# Altium PCB NxtPX4.PcbDoc (part 3 of 6)
Units mm, origin at the board's own origin, x right, y up, seen from the top; angles counter-clockwise.
Board outline 33 x 27 mm, 4 copper layers (F.Cu, In1.Cu, In2.Cu, B.Cu); 137 components, 132 nets, 629 pads, 296 vias.
Unrouted connection lines stored in the file: 3.
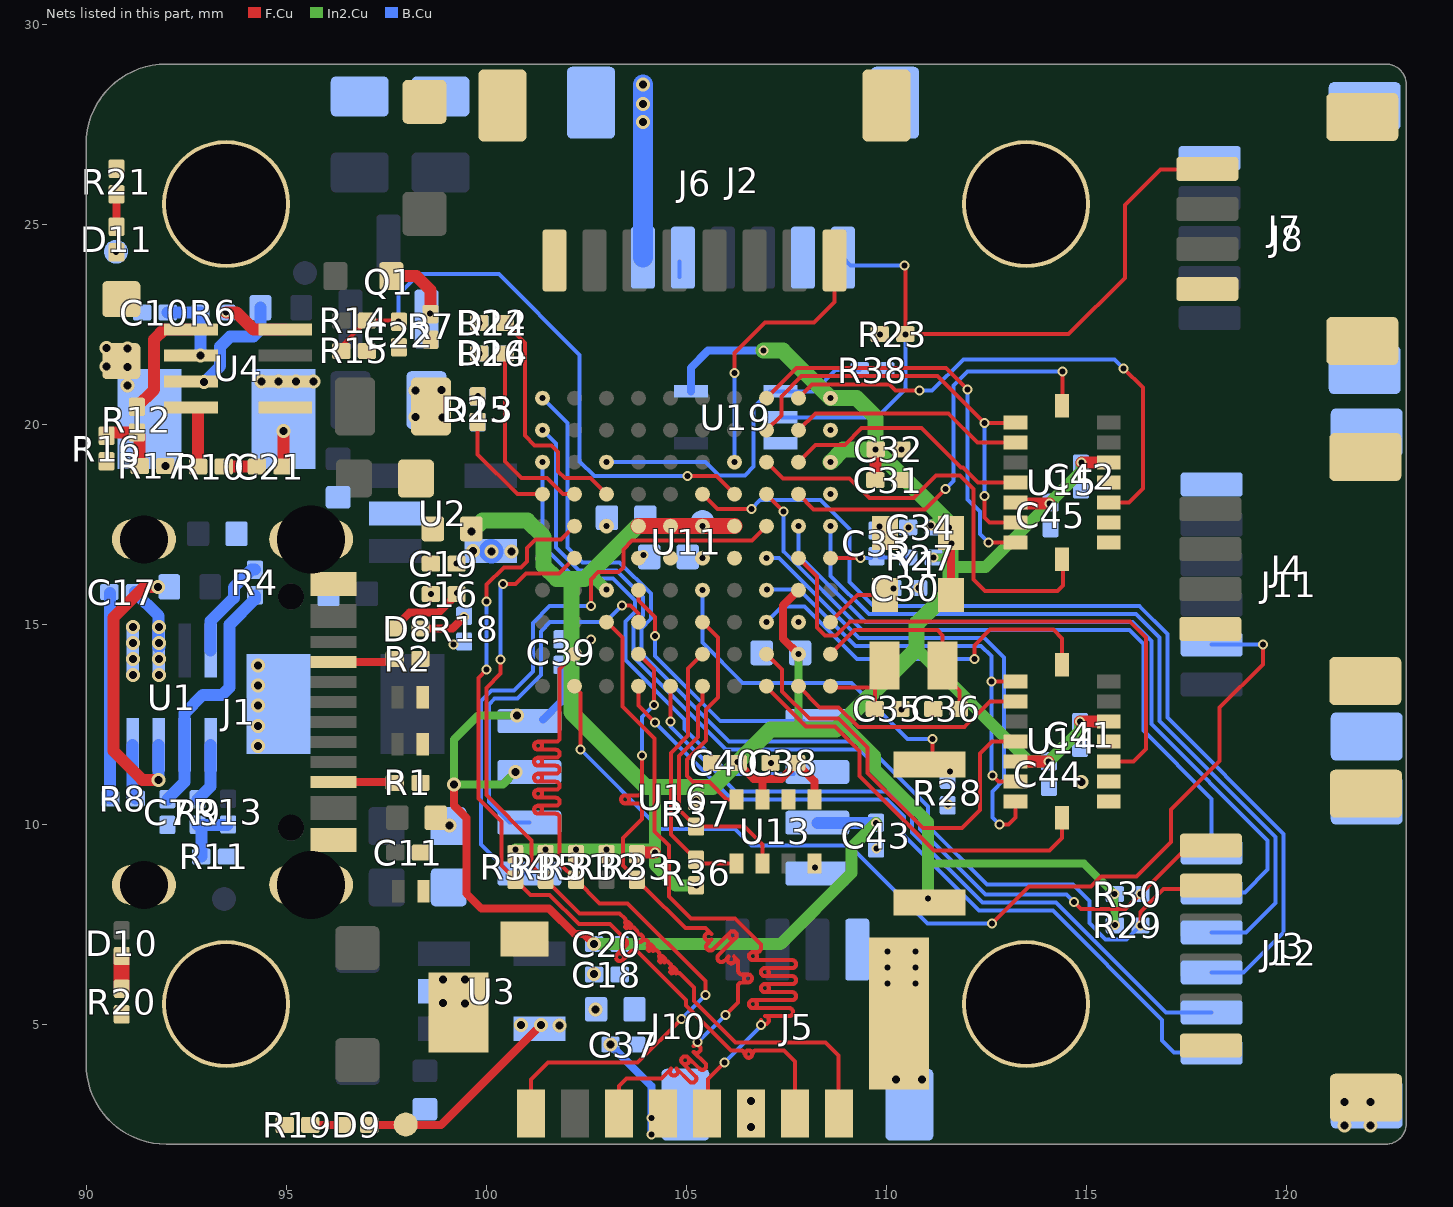
[diagram p5: the nets of this part, all layers, seen from the top]

## Components (designator, comment, footprint, x,y, rotation, side; value= is the part's Value field where it differs from the comment)
BOOT1 "TD-1183SN-1.5H(3x2.5)" 3x2.5PushButton 111.08,9.77 r90 top
C1 "22uF(0805 35V 20%)" C_0805_2012Metric#1 97.67,20.45 r0 top
C2 "10uF(0603 35V 20%)" C_0603_1608Metric#1 97.47,18.65 r0 top
C3 "22uF(0805 35V 20%)" C_0805_2012Metric#2 97.56,20.61 r180 bottom
C4 "1uF(0402 35V 10%)" C_0402_1005Metric#1 93.28,17.27 r180 bottom
C5 "1uF(0402 16V 10%)" C_0402_1005Metric#1 96.54,15.77 r0 bottom
C6 "1uF(0402 16V 10%)" C_0402_1005Metric#1 98.47,3.36 r90 bottom
C7 "100nF(0201 10V 10%)" C_0201_0603Metric#1 92.03,10.312 r90 bottom
C8 "1uF(0402 35V 10%)" C_0402_1005Metric#1 96.3,18.66 r90 bottom
C9 "1uF(0402 16V 10%)" C_0402_1005Metric#2 98.26,10.17 r0 top
C10 "100nF(0201 10V 10%)" C_0201_0603Metric#1 91.72,22.8 r0 bottom
C11 "100nF(0201 16V 10%)" C_0201_0603Metric#2 98.05,9.3 r0 top
C12 "22uF(0805 35V 20%)" C_0805_2012Metric#2 98.86,27.25 r270 bottom
C13 "22uF(0805 35V 20%)" C_0805_2012Metric#2 96.84,27.25 r270 bottom
C14 "1uF(0402 10V 10%)" C_0402_1005Metric#2 99.15,17.39 r180 top
C15 "1uF(0402 10V 10%)" C_0402_1005Metric#1 103.23,5.38 r180 bottom
C16 "100nF(0201 10V 10%)" C_0201_0603Metric#2 98.94,15.76 r180 top
C17 "100nF(0201 25V 10%)" C_0201_0603Metric#1 90.9,15.81 r180 bottom
C18 "100nF(0201 10V 10%)" C_0201_0603Metric#1 103.02,6.25 r180 bottom
C19 "100nF(0201 10V 10%)" C_0201_0603Metric#2 98.94,16.52 r180 top
C20 "100nF(0201 10V 10%)" C_0201_0603Metric#1 103.02,7.01 r180 bottom
C21 "100nF(0201 25V 10%)" C_0201_0603Metric#2 94.59,18.95 r0 top
C22 "100nF(0201 10.0V 10%)" C_0201_0603Metric#2 97.82,22.25 r270 top
C23 "22uF(0603 16V)" C_0603_1608Metric#2 98.29,8.43 r180 bottom
C24 "22uF(0603 16V)" C_0603_1608Metric#2 98.28,9.96 r180 bottom
C26 "22uF(0603 16V)" C_0603_1608Metric#1 90.88,22.36 r90 top
C27 "2.2uF(0402 6.3V 10%)" C_0402_1005Metric#1 104.56,16.69 r0 bottom
C28 "2.2uF(0402 6.3V 10%)" C_0402_1005Metric#1 103.5,17.67 r0 bottom
C29 "4.7uF(0402 10V)" C_0402_1005Metric#1 107.37,14.29 r180 bottom
C30 "15pF(0201 10V)" C_0201_0603Metric#1 110.48,15.91 r180 bottom
C31 "100nF(0201 6.3V)" C_0201_0603Metric#2 110.05,18.61 r0 top
C32 "1uF(0201 6.3V)" C_0201_0603Metric#2 110.06,19.38 r0 top
C33 "100nF(0201 10V 10%)" C_0201_0603Metric#1 109.76,17.03 r270 bottom
C34 "100nF(0201 10V 10%)" C_0201_0603Metric#1 110.87,17.43 r0 bottom
C35 "12.0pF(0201 10V)" C_0201_0603Metric#2 110.04,12.89 r0 top
C36 "12.0pF(0201 10V)" C_0201_0603Metric#2 111.5,12.89 r180 top
C37 "100nF(0201 10V 10%)" C_0201_0603Metric#1 103.43,4.5 r180 bottom
C38 "100nF(0201 10V 10%)" C_0201_0603Metric#2 107.43,11.54 r180 top
C39 "100nF(0201 10V 10%)" C_0201_0603Metric#1 101.88,14.31 r270 bottom
C40 "100nF(0201 10V 10%)" C_0201_0603Metric#2 105.97,11.54 r180 top
C41 "100.0nF(0201 10V)" C_0201_0603Metric#1 114.85,12.24 r90 bottom
C42 "100.0nF(0201 10V)" C_0201_0603Metric#1 114.87,18.7 r90 bottom
C43 "100nF(0201 10V 10%)" C_0201_0603Metric#1 109.75,9.72 r270 bottom
C44 "100.0nF(0201 10V)" C_0201_0603Metric#1 114.07,11.26 r90 bottom
C45 "100.0nF(0201 10V)" C_0201_0603Metric#1 114.11,17.73 r90 bottom
D1 "PESD12VV1BL" PESD12VV1BL_315 98.12,8.33 r180 top
D2 "PESD5V0F1BL" PESD5V0F1BL 98.1,13.18 r180 top
D3 "SMF30CA(30V)" D_SOD-123F#1 98.46,26.668 r270 top
D4 "PESD5V0F1BL" PESD5V0F1BL 98.1,12.01 r180 top
D5 "DSS34(3A 500mV)" D_SOD-123F#1 96.78,5.51 r90 top
D6 "BZX584C9V1" D_SOD-523 96.93,23.71 r0 top
D7 "DSS34(3A 500mV)" D_SOD-123F#2 96.79,5.44 r270 bottom
D8 "LED_Blue(0201)" LED_0201_0603Metric 98.04,14.9 r180 top
D9 "LED_Blue(0201)" LED_0201_0603Metric 96.76,2.49 r0 top
D10 "LED_Blue(0201)" LED_0201_0603Metric 90.89,7.033 r90 top
D11 "LED_Blue(0201)" LED_0201_0603Metric 90.76,24.625 r270 top
D12 "LED_RED(0201)" LED_0201_0603Metric 100.15,22.54 r0 top
D13 "LED_BLUE(0201)" LED_0201_0603Metric 99.79,20.382 r270 top
D14 "LED_Green(0201)" LED_0201_0603Metric 100.15,21.78 r0 top
H1 "MountingHole_Pad" M2MountingHole 113.5,25.51 r0 top
H2 "MountingHole_Pad" M2MountingHole 113.5,5.51 r0 top
H3 "MountingHole_Pad" M2MountingHole 93.5,5.51 r0 top
H4 "MountingHole_Pad" M2MountingHole 93.5,25.51 r0 top
J1 "USB_C_Receptacle_USB2.0" USB_C_Small 92.52,12.81 r270 top
J2 "DJIO3" 1x06-1MP_P1.00mm_Horizontal#1 106.42,26.17 r180 bottom
J3 "GPS" 1x06-1MP_P1.00mm_Horizontal#2 120.12,6.97 r90 top
J4 "UART2" 01x04_MP_sh1.0_Hori#1 120.105,16.39 r90 top
J5 "Upper computer connector" 01x04_MP_sh1.0_Hori#2 107.78,4.87 r0 bottom
J6 "ESC" 01x08_MP_sh1.0_Hori 105.21,26.1 r180 top
J7 "Upper computer connector" 01x04_MP_sh1.0_Hori#1 120.03,24.89 r90 top
J8 "PWM_AUX" 01x05_MP_sh1.0_Hori 120.09,24.66 r90 bottom
J10 "Micro_SD_Card" TF-SMD_TF-021B-H265 105.2,5.7 r0 top
J11 "Debug" 1x06-1MP_P1.00mm_Horizontal#1 120.14,16 r90 bottom
J12 "AuxGPIO" 1x06-1MP_P1.00mm_Horizontal#1 120.14,6.8 r90 bottom
L1 "10uH(0420)(78438357100)" Inductor_0420 96.48,13.01 r180 bottom
L2 "10uH(0420)(78438357100)" Inductor_0420 93.26,20.14 r0 bottom
Q1 "AP40P05" SOT-23 97.56,23.57 r270 bottom
R1 "5.1kR(0201)" R_0201_0603Metric#1 98.04,11.04 r180 top
R2 "5.1kR(0201)" R_0201_0603Metric#1 98.04,14.14 r180 top
R3 "1MR(0402 50V)" R_0402_1005Metric 92.59,15.94 r0 bottom
R4 "100kR(0201 25V)" R_0201_0603Metric#2 94.22,16.05 r270 bottom
R5 "1MR(0402 50V)" R_0402_1005Metric 94.87,22.92 r0 bottom
R6 "100kR(0201 25V)" R_0201_0603Metric#2 93.18,22.8 r180 bottom
R7 "100kR(0201 50V)" R_0201_0603Metric#1 98.61,22.44 r270 top
R8 "20R(0201 25V)" R_0201_0603Metric#2 90.92,10.65 r0 bottom
R9 "51kR(0201 25V)" R_0201_0603Metric#2 92.79,10.312 r90 bottom
R10 "20R(0201 25V)" R_0201_0603Metric#1 93.12,18.95 r0 top
R11 "7.68kR(0201 25V)" R_0201_0603Metric#2 93.2,9.2 r0 bottom
R12 "51kR(0201 25V)" R_0201_0603Metric#1 91.27,20.12 r270 top
R13 "41.2kR(0201 25V)" R_0201_0603Metric#2 93.55,10.322 r270 bottom
R14 "200.0kR(0201 50V)" R_0201_0603Metric#1 96.7,22.6 r0 top
R15 "22.0kR(0201 50V)" R_0201_0603Metric#1 96.7,21.84 r0 top
R16 "2.90k-4.02kR(0201 25V) / 3k for 12V" R_0201_0603Metric#1 90.51,19.4 r90 top
R17 "41.2kR(0201 25V)" R_0201_0603Metric#1 91.66,18.96 r0 top
R18 "10kR(0201)" R_0201_0603Metric#2 99.45,14.895 r270 bottom
R19 "10kR(0201)" R_0201_0603Metric#1 95.285,2.49 r0 top
R20 "10kR(0201)" R_0201_0603Metric#1 90.89,5.575 r90 top
R21 "20kR(0201 9V)" R_0201_0603Metric#1 90.76,26.075 r270 top
R23 "10kR(0201)" R_0201_0603Metric#1 110.16,22.26 r0 top
R24 "10.0kR(0201)" R_0201_0603Metric#2 100.15,22.54 r180 bottom
R25 "10.0kR(0201)" R_0201_0603Metric#2 99.79,20.38 r90 bottom
R26 "10.0kR(0201)" R_0201_0603Metric#2 100.15,21.78 r180 bottom
R27 "10kR(0201)" R_0201_0603Metric#2 110.87,16.67 r0 bottom
R28 "10kR(0201)" R_0201_0603Metric#2 111.54,10.8 r270 bottom
R29 "10.0kR(0201)" R_0201_0603Metric#2 116.04,7.48 r0 bottom
R30 "10.0kR(0201)" R_0201_0603Metric#2 116.04,8.26 r0 bottom
R31 "10kR(0201)" R_0201_0603Metric#1 102.25,8.94 r90 top
R32 "10kR(0201)" R_0201_0603Metric#1 103.01,8.94 r90 top
R33 "10kR(0201)" R_0201_0603Metric#1 103.77,8.94 r90 top
R34 "10kR(0201)" R_0201_0603Metric#1 100.73,8.94 r90 top
R35 "10kR(0201)" R_0201_0603Metric#1 101.49,8.94 r90 top
R36 "10.0kR(0201)" R_0201_0603Metric#1 105.25,8.8 r270 top
R37 "10.0kR(0201)" R_0201_0603Metric#1 105.25,10.27 r90 top
R38 "10kR(0201)" R_0201_0603Metric#2 109.66,21.36 r0 bottom
TP1 "24V_TP" MiniTP 95.47,23.79 r0 bottom
TP2 "3.3V_Core_TP" MiniTP 105.41,17.56 r0 bottom
TP5 "3.3V_Peri_TP" MiniTP 97.99,2.5 r0 top
TP9 "5V_System" MiniTP 93.45,8.14 r0 bottom
TP12 "CAM_9V" MiniTP 90.75,24.32 r0 bottom
U1 "MP9943GQ-Z" MP9943GQ-Z#1 92.14,13.172 r270 bottom
U2 "RT9013-33GB" RT9013-33GB 98.92,17.776 r180 bottom
U3 "RT9013-33GB" RT9013-33GB 100.14,5.83 r180 bottom
U4 "MP9943GQ-Z" MP9943GQ-Z#2 93.8,21.4 r0 top
U5 "UAV_LOGO" Uav_logo 102.946,11.086 r0 top
U6 "Direction_Logo" Direction_Logo 111.68,22.025 r0 top
U7 "NxtLOGO" NxtLOGO 114.33,16 r0 top
U8 "Signature" my_signature 100.858,11.175 r90 top
U9 "high_voltage" high_voltage 114.695,22.23 r0 bottom
U10 "Caution" Caution 112.05,13.14 r0 bottom
U11 "STM32H743VIH6" STM32H743VIHBGA100C80P10X10_800X800X110N 105.01,17.06 r180 top
U13 "SPL06" Bosch_LGA-8_2x2.5mm_P0.65mm_ClockwisePinNumbering 107.23,9.83 r180 top
U14 "BMI088" BMI088 114.4,12.08 r270 top
U15 "BMI088" BMI088 114.4,18.55 r270 top
U16 "W25Q128JVS" SOIC-8_5.23x5.23mm_P1.27mm 104.68,10.68 r0 bottom
U19 "SN74LVC1G86DCKR" DCK5 106.24,20.18 r0 bottom
Y1 "SG-210STF/ X1G004171002700" Oscillator_SMD_Abracon_ASDMB-4Pin_2.5x2.0mm 110.8,16.51 r180 top
Y2 "ABS07 (32.768kHZ)" LSE(2012) 110.69,13.98 r180 top

## Footprints (in the part's own frame and the unit in brackets; to place one, negate y for a bottom-side part, rotate by r counter-clockwise, add the part's x,y. Pads: shape width x height; smd on the part's side, far side on the other; paste and mask are expansions set on the pad)
01x04_MP_sh1.0_Hori#1 [mm]
  rrect25% 0.6x1.55 smd mask+0: 1(-1.5,2) 2(-0.5,2) 3(0.5,2) 4(1.5,2)
  rrect21% 1.2x1.8 smd mask+0: MP(-2.8,-1.875) MP(2.8,-1.875)
  silkscreen extent -3.11,-2.69 3.11,2.78
01x04_MP_sh1.0_Hori#2 [mm]
  rrect25% 0.6x1.55 smd mask+0: 1(1.5,-2) 2(0.5,-2) 3(-0.5,-2) 4(-1.5,-2)
  rrect21% 1.2x1.8 smd mask+0: MP(-2.8,1.875) MP(2.8,1.875)
  silkscreen extent -3.11,-2.78 3.11,2.69
01x05_MP_sh1.0_Hori [mm]
  rrect25% 0.6x1.55 smd mask+0: 1(2,-2) 2(1,-2) 3(0,-2) 4(-1,-2) 5(-2,-2)
  rrect21% 1.2x1.8 smd mask+0: MP(-3.3,1.875) MP(3.3,1.875)
  silkscreen extent -3.61,-2.78 3.61,2.69
1x06-1MP_P1.00mm_Horizontal#1 [mm]
  rrect25% 0.6x1.55 smd mask+0: 1(2.5,-2) 2(1.5,-2) 3(0.5,-2) 4(-0.5,-2) 5(-1.5,-2) 6(-2.5,-2)
  rrect21% 1.2x1.8 smd mask+0: MP(-3.8,1.875) MP(3.8,1.875)
  silkscreen extent -4.11,-2.78 4.11,2.69
1x06-1MP_P1.00mm_Horizontal#2 [mm]
  rrect25% 0.6x1.55 smd mask+0: 1(-2.5,2) 2(-1.5,2) 3(-0.5,2) 4(0.5,2) 5(1.5,2) 6(2.5,2)
  rrect21% 1.2x1.8 smd mask+0: MP(-3.8,-1.875) MP(3.8,-1.875)
  silkscreen extent -4.11,-2.69 4.11,2.78
01x08_MP_sh1.0_Hori [mm]
  rrect25% 0.6x1.55 smd mask+0: 1(-3.5,2) 2(-2.5,2) 3(-1.5,2) 4(-0.5,2) 5(0.5,2) 6(1.5,2) 7(2.5,2) 8(3.5,2)
  rrect21% 1.2x1.8 smd mask+0: MP(-4.8,-1.875) MP(4.8,-1.875)
  silkscreen extent -5.11,-2.69 5.11,2.78
3x2.5PushButton [mm]
  rect 0.65x1.8 smd mask+0: 1(-1.725,0) 2(1.725,0)
  silkscreen extent -1.5,-1.25 1.5,1.25
BMI088 [mm]
  rect 0.35x0.59 smd mask+0: 1(-1.5,1.165) 2(-1,1.165) 3(-0.5,1.165) 4(0,1.165) 5(0.5,1.165) 6(1,1.165) 7(1.5,1.165) 9(1.5,-1.165) 10(1,-1.165) 11(0.5,-1.165) 12(0,-1.165) 13(-0.5,-1.165) 14(-1,-1.165) 15(-1.5,-1.165)
  rect 0.59x0.35 smd mask+0: 8(1.915,0) 16(-1.915,0)
  silkscreen extent -2.25,-1.5 2.25,2.2
Bosch_LGA-8_2x2.5mm_P0.65mm_ClockwisePinNumbering [mm]
  rect 0.35x0.5 smd mask+0: 1(-0.975,0.8) 2(-0.325,0.8) 3(0.325,0.8) 4(0.975,0.8) 5(0.975,-0.8) 6(0.325,-0.8) 7(-0.325,-0.8) 8(-0.975,-0.8)
  silkscreen extent -1.35,-1.1 1.35,1.1
C_0201_0603Metric#1 [mm]
  rrect25% 0.46x0.4 smd paste-0.46 mask+0: 1(0.32,0) 2(-0.32,0)
  rrect25% 0.318x0.36 on Bottom Paste mask-0.36: Un1(0.345,0) Un2(-0.345,0)
C_0201_0603Metric#2 [mm]
  rrect25% 0.46x0.4 smd paste-0.46 mask+0: 1(-0.32,0) 2(0.32,0)
  rrect25% 0.318x0.36 on Top Paste mask-0.36: Un1(-0.345,0) Un2(0.345,0)
C_0402_1005Metric#1 [mm]
  rrect25% 0.56x0.62 smd mask+0: 1(0.48,0) 2(-0.48,0)
  silkscreen extent -0.11,-0.36 0.11,0.36
C_0402_1005Metric#2 [mm]
  rrect25% 0.56x0.62 smd mask+0: 1(-0.48,0) 2(0.48,0)
  silkscreen extent -0.11,-0.36 0.11,0.36
C_0603_1608Metric#1 [mm]
  rrect25% 0.9x0.95 smd mask+0: 1(-0.775,0) 2(0.775,0)
  silkscreen extent -0.14,-0.51 0.14,0.51
C_0603_1608Metric#2 [mm]
  rrect25% 0.9x0.95 smd mask+0: 1(0.775,0) 2(-0.775,0)
  silkscreen extent -0.14,-0.51 0.14,0.51
C_0805_2012Metric#1 [mm]
  rrect25% 1x1.45 smd mask+0: 1(-0.95,0) 2(0.95,0)
  silkscreen extent -0.26,-0.73 0.26,0.73
C_0805_2012Metric#2 [mm]
  rrect25% 1x1.45 smd mask+0: 1(0.95,0) 2(-0.95,0)
  silkscreen extent -0.26,-0.73 0.26,0.73
Caution [mm]
  silkscreen extent -2.48,-1.06 2.27,0.96
D_SOD-123F#1 [mm]
  rrect23% 1.1x1.1 smd mask+0: 1(-1.4,0) 2(1.4,0)
  silkscreen extent -2.21,-1 1.65,1
D_SOD-123F#2 [mm]
  rrect23% 1.1x1.1 smd mask+0: 1(1.4,0) 2(-1.4,0)
  silkscreen extent -1.65,-1 2.21,1
D_SOD-523 [mm]
  rrect25% 0.6x0.7 smd mask+0: 1(-0.7,0) 2(0.7,0)
  silkscreen extent -1.26,-0.6 0.7,0.6
DCK5 [mil]
  rect 33.28x12 smd mask+0: 1(44.14,-25.59) 2(44.14,0) 3(44.14,25.59) 4(-44.14,25.59) 5(-44.14,-25.59)
  silkscreen extent -32,-48 32,48
Direction_Logo [mm]
  silkscreen extent -0.64,-0.64 0.64,1.27
high_voltage [mm]
  silkscreen extent -4.17,-0.83 0.58,1.19
Inductor_0420 [mm]
  rect 1.6x2.5 smd mask+0: 1(1.675,0) 2(-1.675,0)
  silkscreen extent -2.2,-2.2 2.2,2.2
LED_0201_0603Metric [mm]
  rrect25% 0.46x0.4 smd paste-0.46 mask+0: 1(-0.32,0) 2(0.32,0)
  rrect25% 0.318x0.36 on Top Paste mask-0.36: Un1(-0.345,0) Un2(0.345,0)
  silkscreen extent -0.91,-0.05 -0.81,0.05
LSE(2012) [mm]
  rect 0.75x1.2 smd mask+0: 1(-0.725,0) 2(0.725,0)
  silkscreen extent -1.15,-0.64 1.15,0.64
M2MountingHole [mm]
  round 3.2 hole 3 paste-2539.97 mask+0: 1(0,0)
MiniTP [mm]
  round 0.6 smd mask+0: 1(0,0)
MP9943GQ-Z#1 [mm]
  rect 1.341x0.306 smd mask+0: 1(1.179,-0.975) 2(1.179,-0.325) 3(1.179,0.325) 4(1.179,0.975) 5(-1.179,0.975) 6(-1.179,0.325) 7(-1.179,-0.325) 8(-1.179,-0.975)
  silkscreen extent -1.63,-1.88 2.13,1.63
MP9943GQ-Z#2 [mm]
  rect 1.341x0.306 smd mask+0: 1(-1.179,0.975) 2(-1.179,0.325) 3(-1.179,-0.325) 4(-1.179,-0.975) 5(1.179,-0.975) 6(1.179,-0.325) 7(1.179,0.325) 8(1.179,0.975)
  silkscreen extent -2.13,-1.63 1.63,1.88
my_signature [mm]
  silkscreen extent -1.33,-0.7 1.5,0.69
NxtLOGO [mm]
  silkscreen extent -1.5,-2.26 1.5,0.74
Oscillator_SMD_Abracon_ASDMB-4Pin_2.5x2.0mm [mm]
  rect 0.65x0.85 smd mask+0: 1(-0.825,-0.775) 2(0.825,-0.775) 3(0.825,0.775) 4(-0.825,0.775)
  silkscreen extent -1.35,-1.14 -1.35,0
PESD5V0F1BL [mil]
  rect 12x22 smd mask+0: 1(-12.5,0) 2(12.5,0)
  silkscreen extent -43,-4 -35,4
PESD12VV1BL_315 [mil]
  rect 12x22 smd mask+0: 1(-12.5,0) 2(12.5,0)
  silkscreen extent -45,-4 -37,4
R_0201_0603Metric#1 [mm]
  rrect25% 0.46x0.4 smd paste-0.46 mask+0: 1(-0.32,0) 2(0.32,0)
  rrect25% 0.318x0.36 on Top Paste mask-0.36: Un1(-0.345,0) Un2(0.345,0)
R_0201_0603Metric#2 [mm]
  rrect25% 0.46x0.4 smd paste-0.46 mask+0: 1(0.32,0) 2(-0.32,0)
  rrect25% 0.318x0.36 on Bottom Paste mask-0.36: Un1(0.345,0) Un2(-0.345,0)
R_0402_1005Metric [mm]
  rrect25% 0.54x0.64 smd mask+0: 1(0.51,0) 2(-0.51,0)
  silkscreen extent -0.15,-0.38 0.15,0.38
RT9013-33GB [mil]
  rect 51.56x23.97 smd mask+0: 1(47,-36.99) 2(47,0) 3(47,36.99) 4(-47,36.99) 5(-47,-36.99)
  silkscreen extent -41,-70 54,66
SOIC-8_5.23x5.23mm_P1.27mm [mm]
  rrect25% 1.6x0.6 smd mask+0: 1(3.6,-1.905) 2(3.6,-0.635) 3(3.6,0.635) 4(3.6,1.905) 5(-3.6,1.905) 6(-3.6,0.635) 7(-3.6,-0.635) 8(-3.6,-1.905)
  silkscreen extent -2.73,-2.73 4.4,2.73
SOT-23 [mm]
  rrect25% 1.475x0.6 smd mask+0: 1(0.937,-0.95) 2(0.937,0.95) 3(-0.937,0)
  silkscreen extent -0.65,-1.56 1.68,1.56
STM32H743VIHBGA100C80P10X10_800X800X110N [mm]
  round 0.37 smd mask+0: A1(-3.6,3.6) A2(-2.8,3.6) A3(-2,3.6) A4(-1.2,3.6) A5(-0.4,3.6) A6(0.4,3.6) A7(1.2,3.6) A8(2,3.6) A9(2.8,3.6) A10(3.6,3.6) B1(-3.6,2.8) B2(-2.8,2.8) B3(-2,2.8) B4(-1.2,2.8) B5(-0.4,2.8) B6(0.4,2.8) B7(1.2,2.8) B8(2,2.8) B9(2.8,2.8) B10(3.6,2.8) C1(-3.6,2) C2(-2.8,2) C3(-2,2) C4(-1.2,2) C5(-0.4,2) C6(0.4,2) C7(1.2,2) C8(2,2) C9(2.8,2) C10(3.6,2) D1(-3.6,1.2) D2(-2.8,1.2) D3(-2,1.2) D4(-1.2,1.2) D5(-0.4,1.2) D6(0.4,1.2) D7(1.2,1.2) D8(2,1.2) D9(2.8,1.2) D10(3.6,1.2) E1(-3.6,0.4) E2(-2.8,0.4) E3(-2,0.4) E4(-1.2,0.4) E5(-0.4,0.4) E6(0.4,0.4) E7(1.2,0.4) E8(2,0.4) E9(2.8,0.4) E10(3.6,0.4) F1(-3.6,-0.4) F2(-2.8,-0.4) F3(-2,-0.4) F4(-1.2,-0.4) F5(-0.4,-0.4) F6(0.4,-0.4) F7(1.2,-0.4) F8(2,-0.4) F9(2.8,-0.4) F10(3.6,-0.4) G1(-3.6,-1.2) G2(-2.8,-1.2) G3(-2,-1.2) G4(-1.2,-1.2) G5(-0.4,-1.2) G6(0.4,-1.2) G7(1.2,-1.2) G8(2,-1.2) G9(2.8,-1.2) G10(3.6,-1.2) H1(-3.6,-2) H2(-2.8,-2) H3(-2,-2) H4(-1.2,-2) H5(-0.4,-2) H6(0.4,-2) H7(1.2,-2) H8(2,-2) H9(2.8,-2) H10(3.6,-2) J1(-3.6,-2.8) J2(-2.8,-2.8) J3(-2,-2.8) J4(-1.2,-2.8) J5(-0.4,-2.8) J6(0.4,-2.8) J7(1.2,-2.8) J8(2,-2.8) J9(2.8,-2.8) J10(3.6,-2.8) K1(-3.6,-3.6) K2(-2.8,-3.6) K3(-2,-3.6) K4(-1.2,-3.6) K5(-0.4,-3.6) K6(0.4,-3.6) K7(1.2,-3.6) K8(2,-3.6) K9(2.8,-3.6) K10(3.6,-3.6)
  silkscreen extent -4.11,-4.11 4.11,4.65
TF-SMD_TF-021B-H265 [mm]
  rect 0.7x1.2 smd mask+0: 1(-4.08,-2.92) 2(-2.98,-2.92) 3(-1.88,-2.92) 4(-0.78,-2.92) 5(0.32,-2.92) 6(1.42,-2.92) 7(2.52,-2.92) 8(3.62,-2.92)
  rect 1.5x2 smd mask+0: 9(-5.893,-0.4)
  rect 1.204x0.867 smd mask+0: 9(-4.244,1.439)
  rect 1.5x3.8 smd mask+0: 9(5.12,-0.42)
  silkscreen extent -6.13,-2.94 5.23,1.86
Uav_logo [mm]
  silkscreen extent -1.21,-1.31 1.36,1.3
USB_C_Small [mm]
  rect 0.3x1.15 smd mask+0: A1(-3.35,3.67) A4(-2.55,3.67) A5(-1.25,3.67) A6(-0.25,3.67) A7(0.25,3.67) A8(1.25,3.67) A9(2.55,3.67) A12(3.35,3.67) B1(3.05,3.67) B4(2.25,3.67) B5(1.75,3.67) B6(0.75,3.67) B7(-0.75,3.67) B8(-1.75,3.67) B9(-2.25,3.67) B12(-3.05,3.67)
  rrect100% 1x2.1 hole 1.7 slot 0.6 at 0 deg paste-2539.97 mask+0: S1(-4.32,3.105) S1(4.32,3.105)
  rrect100% 1x1.6 hole 1.2 slot 0.6 at 0 deg paste-2539.97 mask+0: S1(-4.32,-1.075) S1(4.32,-1.075)
  round 0.65 hole 0.65 paste-2539.97 mask+0: Un1(-2.89,2.605) Un2(2.89,2.605)
  silkscreen extent -4.58,-0.07 4.58,1.85

## Part data
BOOT1: library part 3x2.5PushButton, Sheetfile=NxtPX4.kicad_sch, ki_description="Push button switch, generic, two pins", ki_keywords="switch normally-open pushbutton push-button"
C1 C3 C12 C13: library part C_0805_2012Metric, "Capacitor SMD 0805 (2012 Metric), square (rectangular) end terminal, IPC_7351 nominal, (Body size source: IPC-SM-782 page 76, https://www.pcb-3d.com/wordpress/wp-content/uploads/ipc-sm-782a_amendment_1_and_2.pdf, https://docs.google.com/spreadsheets/d/1BsfQQcO9C6DZCsRaXUlFlo91Tg2WpOkGARC1WS5S8t0/edit?usp=sharing), generated with kicad-footprint-generator", Sheetfile=NxtPX4.kicad_sch, ki_description="Unpolarized capacitor, small symbol", ki_keywords="capacitor cap"
C2 C23 C24 C26: library part C_0603_1608Metric, "Capacitor SMD 0603 (1608 Metric), square (rectangular) end terminal, IPC_7351 nominal, (Body size source: IPC-SM-782 page 76, https://www.pcb-3d.com/wordpress/wp-content/uploads/ipc-sm-782a_amendment_1_and_2.pdf), generated with kicad-footprint-generator", Sheetfile=NxtPX4.kicad_sch, ki_description="Unpolarized capacitor, small symbol", ki_keywords="capacitor cap"
C4 C5 C6 C8 C9 C14 C15 C27 C28 C29: library part C_0402_1005Metric, "Capacitor SMD 0402 (1005 Metric), square (rectangular) end terminal, IPC_7351 nominal, (Body size source: IPC-SM-782 page 76, https://www.pcb-3d.com/wordpress/wp-content/uploads/ipc-sm-782a_amendment_1_and_2.pdf), generated with kicad-footprint-generator", Sheetfile=NxtPX4.kicad_sch, ki_description="Unpolarized capacitor, small symbol", ki_keywords="capacitor cap"
C7 C10 C11 C16 C17 C18 C19 C20 C21 C22 C30 C31 C32 C33 C34 C35 C36 C37 C38 C39 C40 C41 C42 C43 C44 C45: library part C_0201_0603Metric, "Capacitor SMD 0201 (0603 Metric), square (rectangular) end terminal, IPC_7351 nominal, (Body size source: https://www.vishay.com/docs/20052/crcw0201e3.pdf), generated with kicad-footprint-generator", Sheetfile=NxtPX4.kicad_sch, ki_description="Unpolarized capacitor, small symbol", ki_keywords="capacitor cap"
D1: library part PESD12VV1BL_315, Sheetfile=NxtPX4.kicad_sch, ki_description="ESD protection diode, 5.0Vrwm, SOD-923", ki_keywords="diode TVS ESD"
D3 D5 D7: library part D_SOD-123F, "D_SOD-123F", Sheetfile=NxtPX4.kicad_sch
  D3: ki_description="Bidirectional transient-voltage-suppression diode", ki_keywords="diode TVS thyrector"
  D5 D7: ki_description="Schottky diode", ki_keywords="diode Schottky"
D6: library part D_SOD-523, "http://www.diodes.com/datasheets/ap02001.pdf p.144", Sheetfile=NxtPX4.kicad_sch, ki_description="Zener diode", ki_keywords=diode
D8 D9 D10 D11 D12 D13 D14: library part LED_0201_0603Metric, "LED SMD 0201 (0603 Metric), square (rectangular) end terminal, IPC_7351 nominal, (Body size source: https://www.vishay.com/docs/20052/crcw0201e3.pdf), generated with kicad-footprint-generator", Sheetfile=NxtPX4.kicad_sch, ki_description="Light emitting diode, small symbol", ki_keywords="LED diode light-emitting-diode"
H1 H2 H3 H4: library part M2MountingHole, Sheetfile=NxtPX4.kicad_sch, ki_description="Mounting Hole with connection", ki_keywords="mounting hole"
J1: library part USB_C_Small, "USB Type C, right-angle, SMT, https://datasheet.lcsc.com/szlcsc/1811141824_XKB-Enterprise-U262-161N-4BVC11_C319148.pdf", Sheetfile=NxtPX4.kicad_sch, ki_description="USB 2.0-only Type-C Receptacle connector", ki_keywords="usb universal serial bus type-C USB2.0"
J2 J3 J11 J12: library part 1x06-1MP_P1.00mm_Horizontal, "JST SH series connector, SM06B-SRSS-TB (http://www.jst-mfg.com/product/pdf/eng/eSH.pdf), generated with kicad-footprint-generator", Sheetfile=NxtPX4.kicad_sch, ki_description="Generic connectable mounting pin connector, single row, 01x06, script generated (kicad-library-utils/schlib/autogen/connector/)", ki_keywords=connector
J4 J5 J7: library part 01x04_MP_sh1.0_Hori, "JST SH series connector, SM04B-SRSS-TB (http://www.jst-mfg.com/product/pdf/eng/eSH.pdf), generated with kicad-footprint-generator", Sheetfile=NxtPX4.kicad_sch, ki_description="Generic connectable mounting pin connector, single row, 01x04, script generated (kicad-library-utils/schlib/autogen/connector/)", ki_keywords=connector
J6: library part 01x08_MP_sh1.0_Hori, "JST SH series connector, SM08B-SRSS-TB (http://www.jst-mfg.com/product/pdf/eng/eSH.pdf), generated with kicad-footprint-generator", Sheetfile=NxtPX4.kicad_sch, ki_description="Generic connectable mounting pin connector, single row, 01x08, script generated (kicad-library-utils/schlib/autogen/connector/)", ki_keywords=connector
J8: library part 01x05_MP_sh1.0_Hori, "JST SH series connector, SM05B-SRSS-TB (http://www.jst-mfg.com/product/pdf/eng/eSH.pdf), generated with kicad-footprint-generator", Sheetfile=NxtPX4.kicad_sch, ki_description="Generic connectable mounting pin connector, single row, 01x05, script generated (kicad-library-utils/schlib/autogen/connector/)", ki_keywords=connector
J10: library part TF-SMD_TF-021B-H265, Sheetfile=NxtPX4.kicad_sch, ki_description="Micro SD Card Socket", ki_keywords="connector SD microsd"
L1 L2: library part Inductor_0420, Sheetfile=NxtPX4.kicad_sch, ki_description="Inductor, small symbol", ki_keywords="inductor choke coil reactor magnetic"
Q1: library part SOT-23, "SOT, 3 Pin (https://www.jedec.org/system/files/docs/to-236h.pdf variant AB), generated with kicad-footprint-generator ipc_gullwing_generator.py", Sheetfile=NxtPX4.kicad_sch, ki_description="P-MOSFET transistor, gate/source/drain", ki_keywords="transistor PMOS P-MOS P-MOSFET"
R1 R2 R4 R6 R7 R8 R9 R10 R11 R12 R13 R14 R15 R16 R17 R18 R19 R20 R21 R23 R24 R25 R26 R27 R28 R29 R30 R31 R32 R33 R34 R35 R36 R37 R38: library part R_0201_0603Metric, "Resistor SMD 0201 (0603 Metric), square (rectangular) end terminal, IPC_7351 nominal, (Body size source: https://www.vishay.com/docs/20052/crcw0201e3.pdf), generated with kicad-footprint-generator", Sheetfile=NxtPX4.kicad_sch, ki_description="Resistor, small symbol", ki_keywords="R resistor"
R3 R5: library part R_0402_1005Metric, "Resistor SMD 0402 (1005 Metric), square (rectangular) end terminal, IPC_7351 nominal, (Body size source: IPC-SM-782 page 72, https://www.pcb-3d.com/wordpress/wp-content/uploads/ipc-sm-782a_amendment_1_and_2.pdf), generated with kicad-footprint-generator", Sheetfile=NxtPX4.kicad_sch, ki_description="Resistor, small symbol", ki_keywords="R resistor"